# Altium PCB Board.PcbDoc (part 12 of 15) (continued)
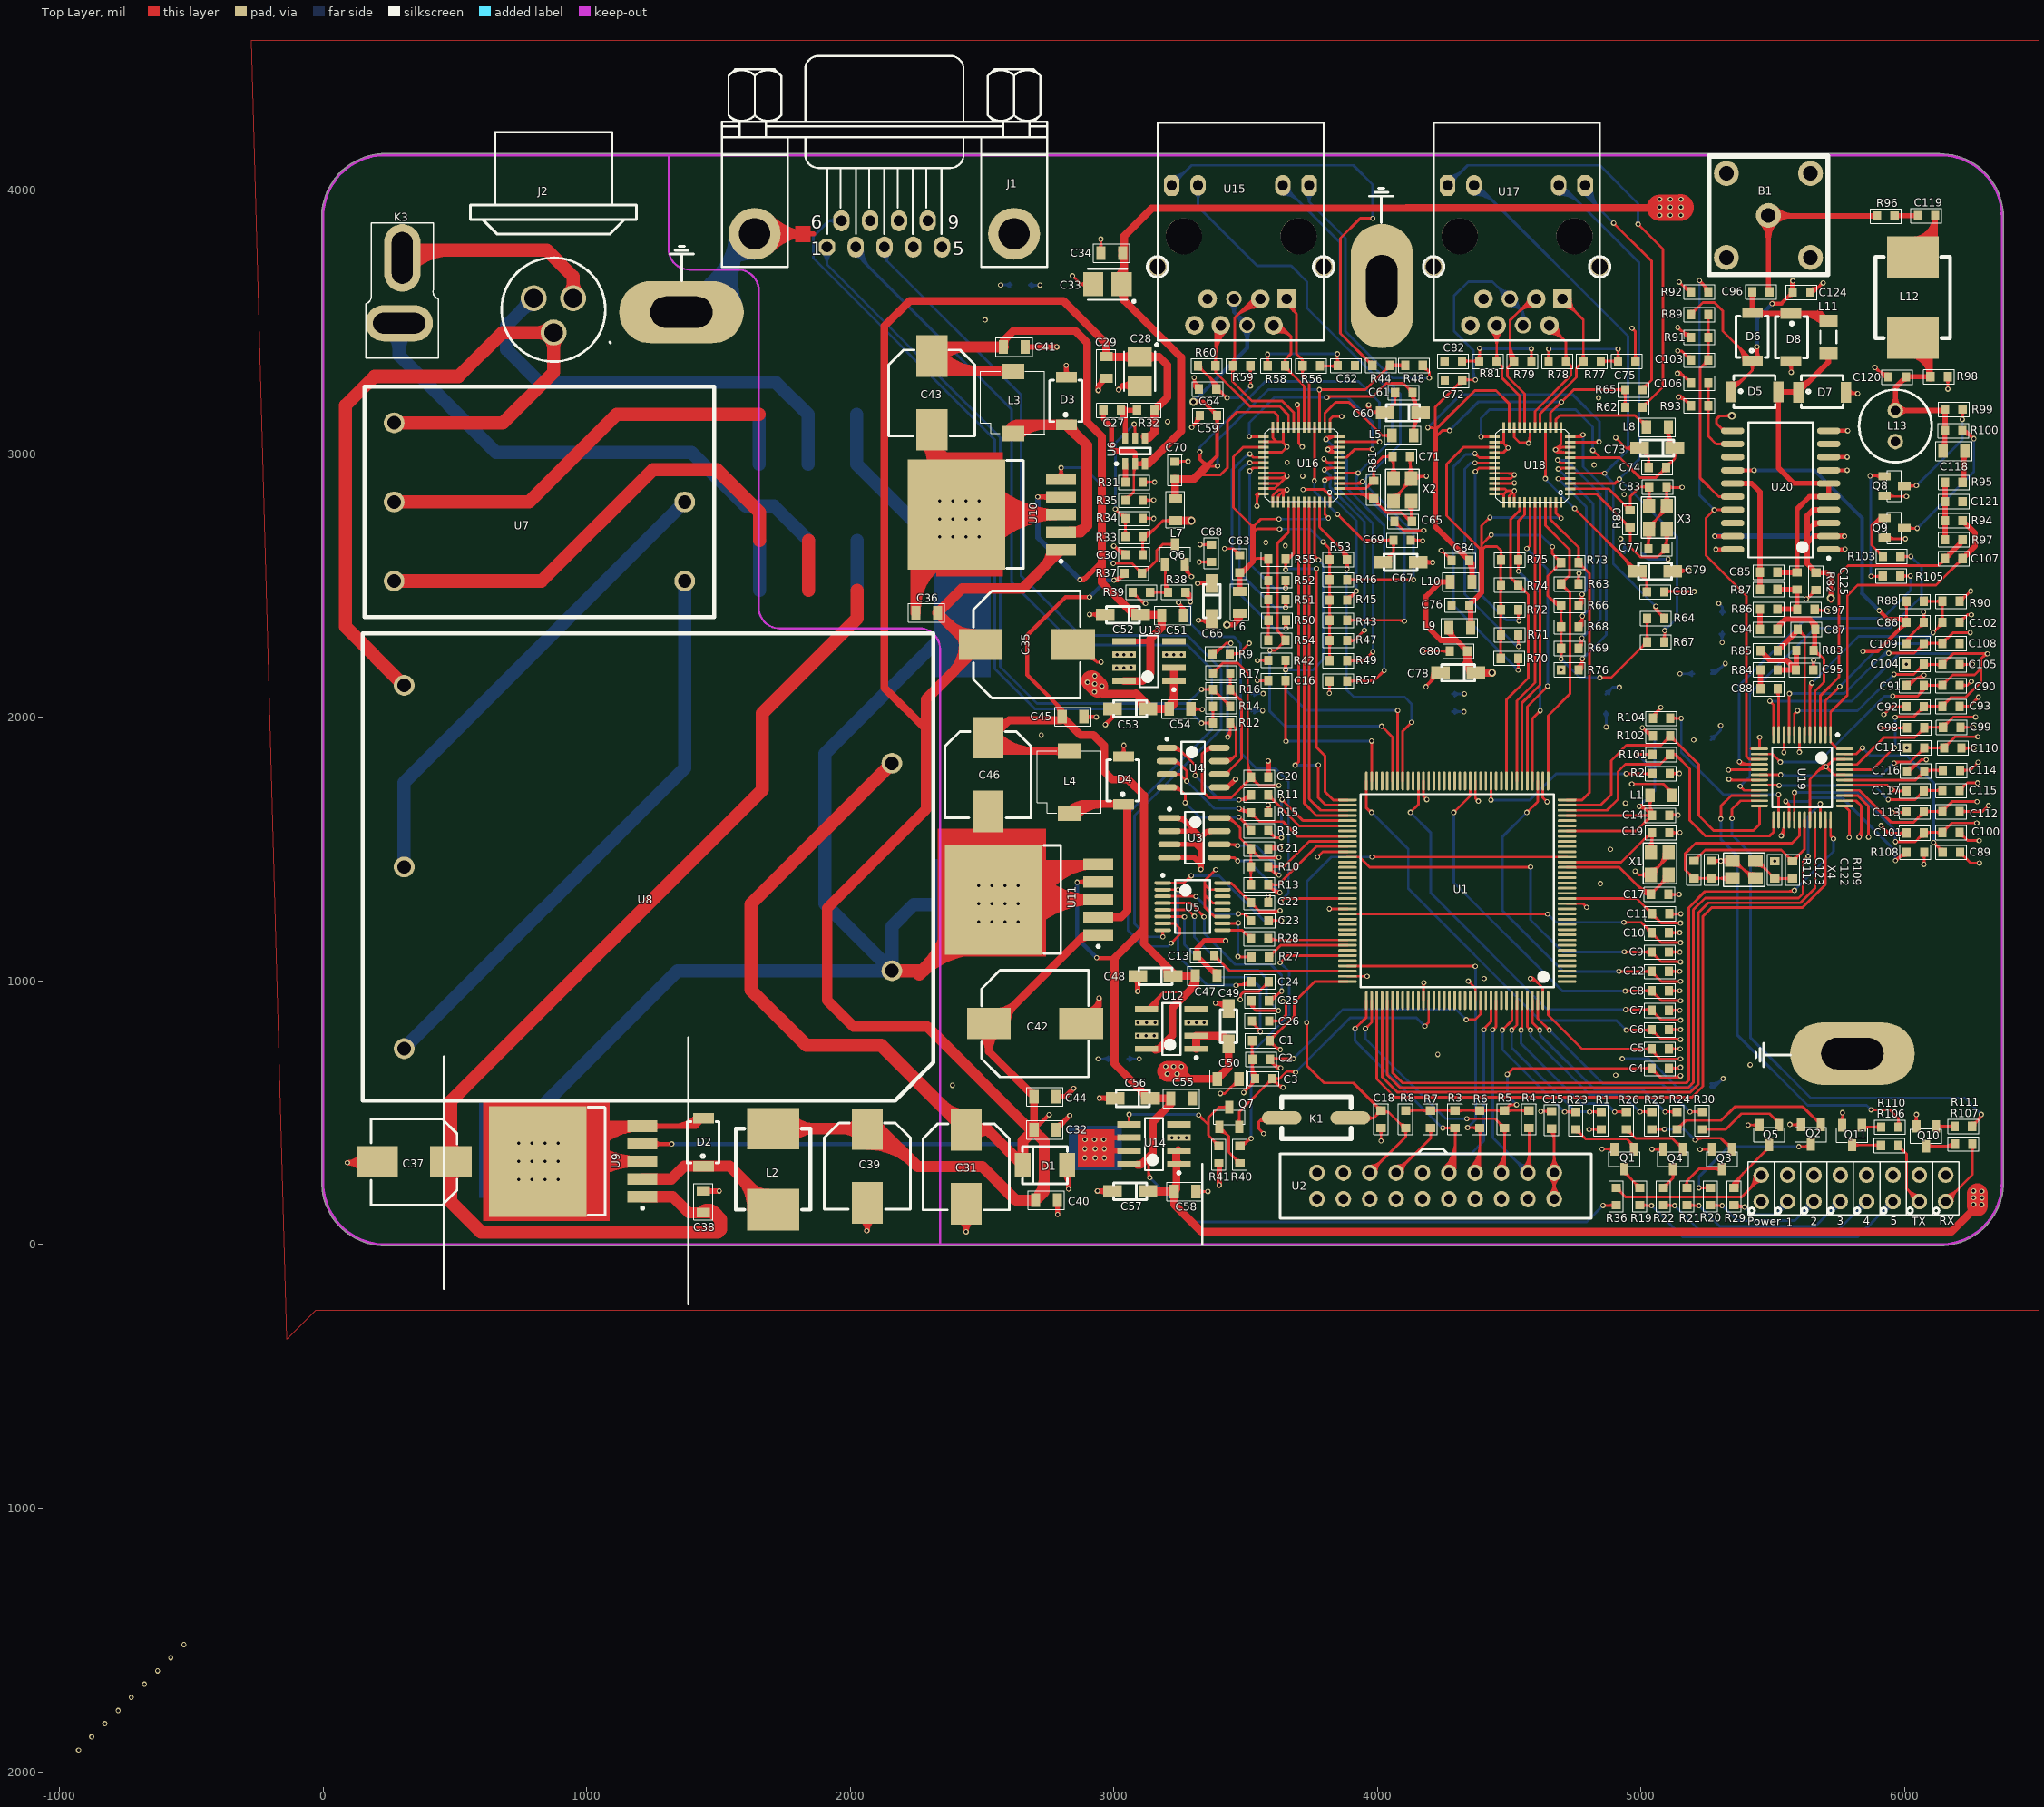
[diagram p0: Top Layer view]
## Nets (pads, with @x,y where several pads share a name; then routed paths per layer and width w, separated by ;. In a path a pad name is that pad's centre, name@x,y a point inside that pad or via, vN(x,y) a via of type N, cw(c..) or ccw(c..) an arc to the next point about the centre after c; other vN are vias at no path point) (continued)
  Bottom Layer w10: v1(2570.6,3640.45) C.2@2612.6,3640.45 ; v1@2574.13,3636.91 cw(c2582.67,3628.38) 2582.67,3640.45 cw(c2582.67,3652.52) v1@2574.13,3643.98 ; C.2@2605,3632.85 ccw(c2586.65,3614.5) 2586.65,3640.45 ccw(c2586.65,3666.4) C.2@2605,3648.05 ; v1(2940.6,704.45) C.2@2985.6,704.45 ; v1@2944.13,700.91 cw(c2952.67,692.38) 2952.67,704.45 cw(c2952.67,716.52) v1@2944.13,707.98 ; C.2@2978,696.85 ccw(c2959.65,678.5) 2959.65,704.45 ccw(c2959.65,730.4) C.2@2978,712.05
  Bottom Layer w15: v1(1322.6,381.45) 2643.6,381.45 v1(2754.6,492.45)
VCC-3.3: C30.2 C53.2 C54.1 C66.2 C68.2 C78.2 C80.2 C.1@2678.6,3640.45 C.1@3522.6,2089.45 C.1@4283.6,2088.45 C.1@4865.6,2087.45 C.2@4937.6,2623.45 C.2@5200.6,2165.45 L6.1 L7.1 L9.1 L10.1 R33.2 U13.1 U13.2 | length 4330.4
  Top Layer w10: C30.2@3109.75,2617.45 R33.2@3109.75,2686.06 ; R33.2@3109.75,2688.78 ccw(c3109.75,2732.66) 3140.78,2701.63 ; R33.2@3109.75,2698.78 ccw(c3109.75,2766.8) 3157.85,2718.7 ; R33.2@3115.17,2676.02 3185.6,2746.45 L7.1@3232.6,2746.45 ; L7.1@3215.73,2737.46 ccw(c3194.02,2715.75) 3194.02,2746.45 ccw(c3194.02,2777.15) L7.1@3215.73,2755.44 ; v1(3317.6,2508.45) 3371.54,2508.45 C66.2@3371.6,2508.39 ; v1@3320.1,2504.12 cw(c3330.06,2486.86) 3335.22,2506.11 ; v1@3320.1,2512.78 ccw(c3330.2,2530.27) 3335.42,2510.76 ; v1(3323.6,2589.45) C68.2@3369.6,2589.45 ; C30.2@3102.15,2627.02 ccw(c3083.8,2645.37) 3109.75,2645.37 ; C30.2@3102.15,2627.02 ccw(c3083.8,2645.37) 3109.75,2645.37 ; C30.2@3102.15,2627.02 ccw(c3083.8,2645.37) 3109.75,2645.37 ; 3109.75,2645.37 ccw(c3135.7,2645.37) C30.2@3117.35,2627.02 ; 3109.75,2645.37 ccw(c3135.7,2645.37) C30.2@3117.35,2627.02 ; 3109.75,2645.37 ccw(c3135.7,2645.37) C30.2@3117.35,2627.02 ; 3109.75,2658.14 cw(c3135.7,2658.14) 3117.35,2676.49 ccw(c3135.7,2658.14) 3109.75,2658.14 ; 3109.75,2658.14 ccw(c3083.8,2658.14) 3102.15,2676.49 cw(c3083.8,2658.14) 3109.75,2658.14 ; v1@3321.13,2504.91 cw(c3329.67,2496.38) 3329.67,2508.45 ; v1@3321.13,2504.91 cw(c3329.67,2496.38) 3329.67,2508.45 ; v1@3321.13,2504.91 cw(c3329.67,2496.38) 3329.67,2508.45 ; v1@3321.13,2511.98 ccw(c3329.67,2520.52) 3329.67,2508.45 ; v1@3321.13,2511.98 ccw(c3329.67,2520.52) 3329.67,2508.45 ; v1@3321.13,2511.98 ccw(c3329.67,2520.52) 3329.67,2508.45 ; v1@3326.49,2508.45 cw(c3326.49,2463.28) C66.2@3358.43,2495.22 ; v1@3326.49,2508.45 cw(c3326.49,2463.28) C66.2@3358.43,2495.22 ; v1@3326.49,2508.45 cw(c3326.49,2463.28) C66.2@3358.43,2495.22 ; v1@3326.79,2508.45 ccw(c3326.79,2553.19) C66.2@3358.43,2521.55 ; v1@3326.79,2508.45 ccw(c3326.79,2553.19) C66.2@3358.43,2521.55 ; v1@3326.79,2508.45 ccw(c3326.79,2553.19) C66.2@3358.43,2521.55 ; v1@3327.13,2585.91 cw(c3335.67,2577.38) 3335.67,2589.45 ; v1@3327.13,2585.91 cw(c3335.67,2577.38) 3335.67,2589.45 ; v1@3327.13,2585.91 cw(c3335.67,2577.38) 3335.67,2589.45 ; v1@3327.13,2592.98 ccw(c3335.67,2601.52) 3335.67,2589.45 ; v1@3327.13,2592.98 ccw(c3335.67,2601.52) 3335.67,2589.45 ; v1@3327.13,2592.98 ccw(c3335.67,2601.52) 3335.67,2589.45 ; 3341.68,2589.45 cw(c3341.68,2563.5) C68.2@3360.03,2581.85 ; 3341.68,2589.45 ccw(c3341.68,2615.4) C68.2@3360.03,2597.05 ; 3341.68,2589.45 cw(c3341.68,2563.5) C68.2@3360.03,2581.85 ; 3341.68,2589.45 ccw(c3341.68,2615.4) C68.2@3360.03,2597.05 ; 3341.68,2589.45 ccw(c3341.68,2615.4) C68.2@3360.03,2597.05 ; 3341.68,2589.45 cw(c3341.68,2563.5) C68.2@3360.03,2581.85
  Top Layer w20: v2(3428.6,2351.45) 3454.6,2351.45 ; L6.1@3462.61,2392.45 cw(c3428.14,2377.91) 3454.6,2351.45 ; 3475.61,2372.47 ccw(c3457.7,2390.38) L6.1@3481.04,2400.22 ; L6.1@3477.6,2395.45 3477.6,2376.45 3478.6,2375.45 3454.6,2351.45 ; L9.1@4270.6,2321.45 4299.6,2292.45 ; L10.1@4275.6,2514.45 4238.6,2514.45 4182.6,2458.45 4182.6,2349.45 4239.6,2292.45 4299.6,2292.45 ; C80.2@4340.6,2251.45 4299.6,2292.45 ; L6.1@3472.14,2389.99 cw(c3458.97,2376.82) 3477.6,2376.82 ; L6.1@3472.14,2389.99 cw(c3458.97,2376.82) 3477.6,2376.82 ; L6.1@3472.14,2389.99 cw(c3458.97,2376.82) 3477.6,2376.82 ; L6.1@3472.14,2389.99 cw(c3458.97,2376.82) 3477.6,2376.82 ; L6.1@3472.14,2389.99 cw(c3458.97,2376.82) 3477.6,2376.82 ; 3477.6,2376.82 cw(c3496.23,2376.82) L6.1@3483.05,2389.99 ; 3477.6,2376.82 cw(c3496.23,2376.82) L6.1@3483.05,2389.99 ; 3477.6,2376.82 cw(c3496.23,2376.82) L6.1@3483.05,2389.99 ; 3477.6,2376.82 cw(c3496.23,2376.82) L6.1@3483.05,2389.99 ; 3477.6,2376.82 cw(c3496.23,2376.82) L6.1@3483.05,2389.99 ; 4256.97,2514.45 cw(c4256.97,2495.82) L10.1@4270.14,2508.99 ; 4256.97,2514.45 ccw(c4256.97,2533.08) L10.1@4270.14,2519.91 ; 4256.97,2514.45 cw(c4256.97,2495.82) L10.1@4270.14,2508.99 ; 4256.97,2514.45 ccw(c4256.97,2533.08) L10.1@4270.14,2519.91 ; 4256.97,2514.45 ccw(c4256.97,2533.08) L10.1@4270.14,2519.91 ; 4256.97,2514.45 cw(c4256.97,2495.82) L10.1@4270.14,2508.99 ; L9.1@4278.31,2332.57 ccw(c4323.8,2332.57) 4291.64,2300.41 ; L9.1@4278.31,2332.57 ccw(c4323.8,2332.57) 4291.64,2300.41 ; L9.1@4278.31,2332.57 ccw(c4323.8,2332.57) 4291.64,2300.41 ; C80.2@4327.43,2264.62 ccw(c4340.6,2277.79) C80.2@4340.6,2259.17 ; C80.2@4327.43,2264.62 ccw(c4340.6,2277.79) C80.2@4340.6,2259.17 ; C80.2@4327.43,2264.62 ccw(c4340.6,2277.79) C80.2@4340.6,2259.17
  Top Layer w30: 2955.6,2089.45 3085.6,2089.45 ; C53.2@3108.11,2032.71 ccw(c3031.18,2035.03) 3085.6,2089.45 ; U13.2@3227.6,2178.45 U13.1@3227.6,2138.45 3227.6,2050.45 ; L7.1@3232.6,2746.45 v2(3294.6,2746.45) ; C80.2@4340.6,2251.45 4340.6,2201.39 ; C78.2@4352.13,2170.13 ccw(c4312.47,2173.25) 4340.6,2201.38 ; v2(4434.6,2169.45) C78.2@4372.54,2169.45 4340.6,2201.39 ; 3085.6,2089.45 3128.54,2046.51 C53.2@3128.54,2032.45 C54.1@3209.6,2032.45 3227.6,2050.45 ; C54.1@3207.68,2042.24 ccw(c3159.58,2090.34) 3227.6,2090.34 ; C54.1@3207.68,2042.24 ccw(c3159.58,2090.34) 3227.6,2090.34 ; C54.1@3207.68,2042.24 ccw(c3159.58,2090.34) 3227.6,2090.34 ; C54.1@3209.61,2043.04 ccw(c3209.71,2068.33) 3227.6,2050.45 ; C54.1@3209.61,2043.04 ccw(c3209.71,2068.33) 3227.6,2050.45 ; C54.1@3209.61,2043.04 ccw(c3209.71,2068.33) 3227.6,2050.45 ; 4340.6,2201.39 ccw(c4364.09,2201.39) C78.2@4361.63,2178.02 ; 4340.6,2201.39 ccw(c4364.09,2201.39) C78.2@4361.63,2178.02 ; 4340.6,2201.39 ccw(c4364.09,2201.39) C78.2@4361.63,2178.02 ; C80.2@4340.6,2238.85 ccw(c4430.13,2238.85) C78.2@4366.82,2175.55 ; C80.2@4340.6,2238.85 ccw(c4430.13,2238.85) C78.2@4366.82,2175.55 ; C80.2@4340.6,2238.85 ccw(c4430.13,2238.85) C78.2@4366.82,2175.55 ; 3083.71,2091.34 cw(c3024.82,2032.45) 3108.1,2032.45 ccw(c3024.82,2032.45) 3083.71,2091.34 ; 4337.65,2204.33 cw(c4302.77,2169.45) 4352.1,2169.45 ccw(c4302.77,2169.45) 4337.65,2204.33
  Top Layer w80: 2915.6,2138.45 v1(2927.1,2126.95) 2938.6,2115.45
  Bottom Layer w10: C.1@2678.6,3640.45 2679.6,3639.45 v1(2719.6,3639.45) ; C.1@2686.2,3630.88 cw(c2706.88,3610.19) 2706.88,3639.45 ; C.1@2686.2,3646.08 ccw(c2702.21,3662.09) 2702.21,3639.45 ; v1@2716.06,3635.91 ccw(c2707.53,3627.38) 2707.53,3639.45 ccw(c2707.53,3651.52) v1@2716.06,3642.98 ; C.1@3522.6,2089.45 3523.6,2090.45 v1(3566.6,2090.45) ; C.1@3532.17,2081.85 cw(c3552.93,2061.09) 3552.93,2090.45 ; C.1@3532.17,2097.05 ccw(c3548.1,2112.98) 3548.1,2090.45 ; v1@3563.06,2086.91 ccw(c3554.53,2078.38) 3554.53,2090.45 ccw(c3554.53,2102.52) v1@3563.06,2093.98 ; C.1@4283.6,2088.45 4328.6,2088.45 v1(4329.6,2089.45) ; C.1@4293.17,2080.85 cw(c4311.51,2062.5) 4311.51,2088.45 cw(c4311.51,2114.4) C.1@4293.17,2096.05 ; 4315.11,2088.45 ccw(c4315.11,2103.93) v1@4326.06,2092.98 ; C.1@4865.6,2087.45 4892.6,2114.45 v1(4917.6,2114.45) ; C.1@4867.57,2098.2 ccw(c4867.57,2119.39) 4882.55,2104.4 ; C.1@4878.31,2087.45 cw(c4909.02,2087.45) 4887.31,2109.16 ; v1@4914.06,2110.91 ccw(c4905.53,2102.38) 4905.53,2114.45 ccw(c4905.53,2126.52) v1@4914.06,2117.98 ; v1@4922.6,2672.45 cw(c4922.6,2660.38) 4931.13,2668.91 cw(c4939.67,2677.45) v1@4927.6,2677.45 ; v1(4922.6,2677.45) 4937.6,2662.45 C.2@4937.6,2623.45 ; C.2@4930,2633.02 ccw(c4911.65,2651.37) 4937.6,2651.37 ccw(c4963.55,2651.37) C.2@4945.2,2633.02 ; v1(5147.6,2165.45) C.2@5200.6,2165.45 ; v1@5151.13,2161.91 cw(c5159.67,2153.38) 5159.67,2165.45 cw(c5159.67,2177.52) v1@5151.13,2168.98 ; C.2@5193,2157.85 ccw(c5174.65,2139.5) 5174.65,2165.45 ccw(c5174.65,2191.4) C.2@5193,2173.05
  other v1: 2926.6,2097.45 2954.6,2118.45 2899.6,2133.45 2927.6,2157.45
VDD: C14.2 L1.2 R101.2 R102.2 U1.30 U1.33 | length 2916.6
  Top Layer w10: U1.30@4718.94,1568.83 4980.98,1568.83 C14.2@5040.6,1628.45 C14.2@5033.92,1635.13 ; U1.33@4718.94,1627.88 5026.68,1627.88 C14.2@5033.92,1635.13 ; v1(4979.6,1858.45) 4980.6,1859.45 R101.2@5043.6,1859.45 ; v1(4992.6,1662.45) 5006.6,1662.45 C14.2@5033.92,1635.13 ; v1(5004.6,1960.45) 5035.6,1929.45 R102.2@5044.6,1929.45 ; v1@5007.53,1957.52 ccw(c5044.6,1994.59) R102.2@5044.6,1942.17 ; v1@5009.43,1961.74 ccw(c5024.62,1965.81) 5016.76,1952.19 ; 5024.6,1940.45 ccw(c5044.6,1960.45) R102.2@5044.6,1932.17 ; L1.2@5033.92,1704.45 C14.2@5033.92,1635.13 ; v1@4983.13,1854.91 cw(c4994.08,1843.96) 4994.08,1859.45 ; v1@4983.13,1854.91 cw(c4994.08,1843.96) 4994.08,1859.45 ; v1@4983.13,1854.91 cw(c4994.08,1843.96) 4994.08,1859.45 ; v1@4992.6,1657.45 cw(c4992.6,1611.58) C14.2@5025.03,1644.01 ; v1@4992.6,1657.45 cw(c4992.6,1611.58) C14.2@5025.03,1644.01 ; v1@4992.6,1657.45 cw(c4992.6,1611.58) C14.2@5025.03,1644.01 ; v1@4992.6,1667.45 cw(c4992.6,1645.72) 5007.96,1661.08 ; v1@4992.6,1667.45 cw(c4992.6,1645.72) 5007.96,1661.08 ; v1@4992.6,1667.45 cw(c4992.6,1645.72) 5007.96,1661.08 ; v1@4996.13,1658.91 cw(c5004.67,1650.38) 5004.67,1662.45 ; v1@4996.13,1658.91 cw(c5004.67,1650.38) 5004.67,1662.45 ; v1@4996.13,1658.91 cw(c5004.67,1650.38) 5004.67,1662.45 ; v1@4996.13,1665.98 ccw(c5004.67,1674.52) 5004.67,1662.45 ; v1@4996.13,1665.98 ccw(c5004.67,1674.52) 5004.67,1662.45 ; v1@4996.13,1665.98 ccw(c5004.67,1674.52) 5004.67,1662.45 ; v1@5004.6,1955.45 cw(c5004.6,1943.38) 5013.13,1951.91 ; v1@5004.6,1955.45 cw(c5004.6,1943.38) 5013.13,1951.91 ; v1@5004.6,1955.45 cw(c5004.6,1943.38) 5013.13,1951.91 ; v1@5009.6,1960.45 ccw(c5021.67,1960.45) 5013.13,1951.91 ; v1@5009.6,1960.45 ccw(c5021.67,1960.45) 5013.13,1951.91 ; v1@5009.6,1960.45 ccw(c5021.67,1960.45) 5013.13,1951.91 ; 5013.28,1627.88 ccw(c5013.28,1655.77) C14.2@5033,1636.05 ; 5013.28,1627.88 ccw(c5013.28,1655.77) C14.2@5033,1636.05 ; 5013.28,1627.88 ccw(c5013.28,1655.77) C14.2@5033,1636.05 ; 5016.02,1627.88 cw(c5016.02,1603.87) C14.2@5033,1620.85 ; 5016.02,1627.88 cw(c5016.02,1603.87) C14.2@5033,1620.85 ; 5016.02,1627.88 cw(c5016.02,1603.87) C14.2@5033,1620.85 ; 5017.65,1859.45 cw(c5017.65,1833.5) R101.2@5036,1851.85 ; 5017.65,1859.45 ccw(c5017.65,1885.4) R101.2@5036,1867.05 ; 5017.65,1859.45 cw(c5017.65,1833.5) R101.2@5036,1851.85 ; 5017.65,1859.45 ccw(c5017.65,1885.4) R101.2@5036,1867.05 ; 5017.65,1859.45 ccw(c5017.65,1885.4) R101.2@5036,1867.05 ; 5017.65,1859.45 cw(c5017.65,1833.5) R101.2@5036,1851.85 ; 5018.89,1606.74 cw(c5040.6,1585.03) C14.2@5040.6,1615.73 ; 5018.89,1606.74 cw(c5040.6,1585.03) C14.2@5040.6,1615.73 ; 5018.89,1606.74 cw(c5040.6,1585.03) C14.2@5040.6,1615.73 ; 5018.89,1650.16 ccw(c5040.6,1671.87) C14.2@5040.6,1641.17 ; 5018.89,1650.16 ccw(c5040.6,1671.87) C14.2@5040.6,1641.17 ; 5018.89,1650.16 ccw(c5040.6,1671.87) C14.2@5040.6,1641.17 ; 5023.64,1611.49 ccw(c5008.65,1626.48) C14.2@5029.85,1626.48 ; 5023.64,1611.49 ccw(c5008.65,1626.48) C14.2@5029.85,1626.48 ; 5023.64,1611.49 ccw(c5008.65,1626.48) C14.2@5029.85,1626.48 ; 5023.64,1645.4 cw(c5008.65,1630.42) C14.2@5029.85,1630.42 ; 5023.64,1645.4 cw(c5008.65,1630.42) C14.2@5029.85,1630.42 ; 5023.64,1645.4 cw(c5008.65,1630.42) C14.2@5029.85,1630.42 ; L1.2@5024.93,1687.58 cw(c5003.22,1665.87) 5033.92,1665.87 ; L1.2@5024.93,1687.58 cw(c5003.22,1665.87) 5033.92,1665.87 ; L1.2@5024.93,1687.58 cw(c5003.22,1665.87) 5033.92,1665.87 ; 5033.92,1648.34 ccw(c5058.52,1648.34) C14.2@5041.13,1630.95 ; 5033.92,1648.34 ccw(c5058.52,1648.34) C14.2@5041.13,1630.95 ; 5033.92,1648.34 ccw(c5058.52,1648.34) C14.2@5041.13,1630.95 ; 5033.92,1665.87 cw(c5064.62,1665.87) L1.2@5042.91,1687.58 ; 5033.92,1665.87 cw(c5064.62,1665.87) L1.2@5042.91,1687.58 ; 5033.92,1665.87 cw(c5064.62,1665.87) L1.2@5042.91,1687.58 ; 5033.92,1672.49 ccw(c5082.67,1672.49) C14.2@5048.2,1638.02 ; 5033.92,1672.49 ccw(c5082.67,1672.49) C14.2@5048.2,1638.02 ; 5033.92,1672.49 ccw(c5082.67,1672.49) C14.2@5048.2,1638.02 ; v1@4990.18,1666.82 cw(c4995.88,1656.52) 5004.2,1664.85 ccw(c4995.88,1656.52) v1@4990.18,1666.82 ; v1@4995.02,1658.07 cw(c5002.56,1644.42) 5013.6,1655.45 ccw(c5002.56,1644.42) v1@4995.02,1658.07 ; v1@5010.08,1954.96 ccw(c5041.23,1986.11) 5043.94,1942.14 cw(c5041.23,1986.11) v1@5010.08,1954.96 ; 5025.77,1939.27 ccw(c5043.05,1956.55) 5044.55,1932.16 cw(c5043.05,1956.55) 5025.77,1939.27
  Bottom Layer w10: v1(4979.6,1858.45) 4986.6,1858.45 5052.6,1792.45 ; v1(4992.6,1662.45) 5052.6,1722.45 5052.6,1792.45 ; v1(5004.6,1960.45) 5052.6,1912.45 5052.6,1792.45 ; v1@4979.6,1853.45 cw(c4979.6,1824.48) 5000.08,1844.96 ; v1@4979.6,1853.45 cw(c4979.6,1824.48) 5000.08,1844.96 ; v1@4979.6,1853.45 cw(c4979.6,1824.48) 5000.08,1844.96 ; v1@4992.6,1667.45 ccw(c4992.6,1679.52) 5001.13,1670.98 ; v1@4992.6,1667.45 ccw(c4992.6,1679.52) 5001.13,1670.98 ; v1@4992.6,1667.45 ccw(c4992.6,1679.52) 5001.13,1670.98 ; v1@4997.6,1662.45 cw(c5009.67,1662.45) 5001.13,1670.98 ; v1@4997.6,1662.45 cw(c5009.67,1662.45) 5001.13,1670.98 ; v1@4997.6,1662.45 cw(c5009.67,1662.45) 5001.13,1670.98 ; v1@5004.6,1955.45 cw(c5004.6,1943.38) 5013.13,1951.91 ; v1@5004.6,1955.45 cw(c5004.6,1943.38) 5013.13,1951.91 ; v1@5004.6,1955.45 cw(c5004.6,1943.38) 5013.13,1951.91 ; v1@5009.6,1960.45 ccw(c5021.67,1960.45) 5013.13,1951.91 ; v1@5009.6,1960.45 ccw(c5021.67,1960.45) 5013.13,1951.91 ; v1@5009.6,1960.45 ccw(c5021.67,1960.45) 5013.13,1951.91
VDD2.5: C90.2 C91.2 C92.2 C93.2 C104.2 C105.2 U19.8 U19.12 U19.14 U19.44 | length 6249.7
  Top Layer w10: U19.14@5449.18,1861.03 5498.02,1861.03 v1(5528.6,1830.45) ; v1(5488.6,2061.45) 5502.33,2047.72 U19.12@5502.33,1933.87 ; U19.8@5581.07,1933.87 5581.07,2012.92 v1(5593.6,2025.45) ; U19.44@5772.02,1801.98 5877.13,1801.98 v1(5960.6,1885.45) ; v1(5954.6,2080.45) 6049.6,2080.45 ; v1@5958.6,2000.45 v1(5963.6,2000.45) 5966.6,2003.45 6035.45,2003.45 C92.2@6072.6,2040.6 6073.81,2041.81 C93.2@6142.6,2041.81 6176.6,2075.81 6230.96,2075.81 6289.6,2134.45 6289.6,2222.45 6308.6,2241.45 6183.6,2241.45 C105.2@6142.6,2200.45 6073.6,2200.45 C104.2@6072.6,2201.45 6034.6,2163.45 v1(5959.6,2163.45) ; C91.2@6061.95,2117.05 cw(c6018.84,2111.21) 6049.6,2080.45 ; 6063.87,2094.72 ccw(c6043.98,2114.61) C91.2@6071.86,2118.39 ; 6286.1,2181.95 6265.6,2161.45 6182.51,2161.45 C90.2@6142.6,2121.54 6073.68,2121.54 C91.2@6072.6,2120.46 6072.6,2103.45 6049.6,2080.45 ; v1@5488.6,2056.45 cw(c5488.6,2044.38) 5497.13,2052.91 ; v1@5488.6,2056.45 cw(c5488.6,2044.38) 5497.13,2052.91 ; v1@5488.6,2056.45 cw(c5488.6,2044.38) 5497.13,2052.91 ; v1@5493.6,2061.45 ccw(c5505.67,2061.45) 5497.13,2052.91 ; v1@5493.6,2061.45 ccw(c5505.67,2061.45) 5497.13,2052.91 ; v1@5493.6,2061.45 ccw(c5505.67,2061.45) 5497.13,2052.91 ; 5520.06,1838.98 cw(c5511.53,1830.45) v1@5523.6,1830.45 ; 5520.06,1838.98 ccw(c5528.6,1847.52) v1@5528.6,1835.45 ; 5520.06,1838.98 cw(c5511.53,1830.45) v1@5523.6,1830.45 ; 5520.06,1838.98 ccw(c5528.6,1847.52) v1@5528.6,1835.45 ; 5520.06,1838.98 ccw(c5528.6,1847.52) v1@5528.6,1835.45 ; 5520.06,1838.98 cw(c5511.53,1830.45) v1@5523.6,1830.45 ; 5585.06,2016.91 cw(c5593.6,2008.38) v1@5593.6,2020.45 ; 5585.06,2016.91 ccw(c5576.53,2025.45) v1@5588.6,2025.45 ; 5585.06,2016.91 cw(c5593.6,2008.38) v1@5593.6,2020.45 ; 5585.06,2016.91 ccw(c5576.53,2025.45) v1@5588.6,2025.45 ; 5585.06,2016.91 ccw(c5576.53,2025.45) v1@5588.6,2025.45 ; 5585.06,2016.91 cw(c5593.6,2008.38) v1@5593.6,2020.45 ; 5952.06,1876.91 cw(c5960.6,1868.38) v1@5960.6,1880.45 ; 5952.06,1876.91 ccw(c5943.53,1885.45) v1@5955.6,1885.45 ; 5952.06,1876.91 cw(c5960.6,1868.38) v1@5960.6,1880.45 ; 5952.06,1876.91 ccw(c5943.53,1885.45) v1@5955.6,1885.45 ; 5952.06,1876.91 ccw(c5943.53,1885.45) v1@5955.6,1885.45 ; 5952.06,1876.91 cw(c5960.6,1868.38) v1@5960.6,1880.45 ; v1@5958.13,2076.91 cw(c5966.67,2068.38) 5966.67,2080.45 ; v1@5958.13,2076.91 cw(c5966.67,2068.38) 5966.67,2080.45 ; v1@5958.13,2076.91 cw(c5966.67,2068.38) 5966.67,2080.45 ; v1@5958.13,2083.98 ccw(c5966.67,2092.52) 5966.67,2080.45 ; v1@5958.13,2083.98 ccw(c5966.67,2092.52) 5966.67,2080.45 ; v1@5958.13,2083.98 ccw(c5966.67,2092.52) 5966.67,2080.45 ; v1@5963.13,2159.91 cw(c5971.67,2151.38) 5971.67,2163.45 ; v1@5963.13,2159.91 cw(c5971.67,2151.38) 5971.67,2163.45 ; v1@5963.13,2159.91 cw(c5971.67,2151.38) 5971.67,2163.45 ; v1@5963.13,2166.98 ccw(c5971.67,2175.52) 5971.67,2163.45 ; v1@5963.13,2166.98 ccw(c5971.67,2175.52) 5971.67,2163.45 ; v1@5963.13,2166.98 ccw(c5971.67,2175.52) 5971.67,2163.45 ; v1@5967.13,1996.91 cw(c5982.91,1981.14) 5982.91,2003.45 ; v1@5967.13,1996.91 cw(c5982.91,1981.14) 5982.91,2003.45 ; v1@5967.13,1996.91 cw(c5982.91,1981.14) 5982.91,2003.45 ; 6050.89,2018.89 cw(c6072.6,1997.18) C92.2@6072.6,2027.88 ; 6050.89,2018.89 cw(c6072.6,1997.18) C92.2@6072.6,2027.88 ; 6050.89,2018.89 cw(c6072.6,1997.18) C92.2@6072.6,2027.88 ; 6050.89,2179.74 cw(c6072.6,2158.03) C104.2@6072.6,2188.73 ; 6050.89,2179.74 cw(c6072.6,2158.03) C104.2@6072.6,2188.73 ; 6050.89,2179.74 cw(c6072.6,2158.03) C104.2@6072.6,2188.73 ; 6055.64,2023.64 ccw(c6040.65,2038.63) C92.2@6061.85,2038.63 ; 6055.64,2023.64 ccw(c6040.65,2038.63) C92.2@6061.85,2038.63 ; 6055.64,2023.64 ccw(c6040.65,2038.63) C92.2@6061.85,2038.63 ; 6055.64,2184.49 ccw(c6040.65,2199.48) C104.2@6061.85,2199.48 ; 6055.64,2184.49 ccw(c6040.65,2199.48) C104.2@6061.85,2199.48 ; 6055.64,2184.49 ccw(c6040.65,2199.48) C104.2@6061.85,2199.48 ; C92.2@6080.2,2034.97 cw(c6096.72,2018.44) 6096.72,2041.81 ; C92.2@6080.2,2034.97 cw(c6096.72,2018.44) 6096.72,2041.81 ; C92.2@6080.2,2034.97 cw(c6096.72,2018.44) 6096.72,2041.81 ; C92.2@6080.2,2050.17 ccw(c6100.37,2070.34) 6100.37,2041.81 ; C92.2@6080.2,2050.17 ccw(c6100.37,2070.34) 6100.37,2041.81 ; C92.2@6080.2,2050.17 ccw(c6100.37,2070.34) 6100.37,2041.81 ; C91.2@6080.2,2114.82 cw(c6096.41,2098.62) 6096.41,2121.54 ; C91.2@6080.2,2114.82 cw(c6096.41,2098.62) 6096.41,2121.54 ; C91.2@6080.2,2114.82 cw(c6096.41,2098.62) 6096.41,2121.54 ; C91.2@6080.2,2130.02 ccw(c6100.69,2150.51) 6100.69,2121.54 ; C91.2@6080.2,2130.02 ccw(c6100.69,2150.51) 6100.69,2121.54 ; C91.2@6080.2,2130.02 ccw(c6100.69,2150.51) 6100.69,2121.54 ; C104.2@6080.2,2191.88 cw(c6100.88,2171.19) 6100.88,2200.45 ; C104.2@6080.2,2191.88 cw(c6100.88,2171.19) 6100.88,2200.45 ; C104.2@6080.2,2191.88 cw(c6100.88,2171.19) 6100.88,2200.45 ; C104.2@6080.2,2207.08 ccw(c6096.21,2223.09) 6096.21,2200.45 ; C104.2@6080.2,2207.08 ccw(c6096.21,2223.09) 6096.21,2200.45 ; C104.2@6080.2,2207.08 ccw(c6096.21,2223.09) 6096.21,2200.45 ; 6116.65,2041.81 cw(c6116.65,2015.86) C93.2@6135,2034.21 ; 6116.65,2041.81 ccw(c6116.65,2067.76) C93.2@6135,2049.41 ; 6116.65,2041.81 cw(c6116.65,2015.86) C93.2@6135,2034.21 ; 6116.65,2041.81 ccw(c6116.65,2067.76) C93.2@6135,2049.41 ; 6116.65,2041.81 ccw(c6116.65,2067.76) C93.2@6135,2049.41 ; 6116.65,2041.81 cw(c6116.65,2015.86) C93.2@6135,2034.21 ; 6116.65,2121.54 cw(c6116.65,2095.59) C90.2@6135,2113.94 ; 6116.65,2121.54 ccw(c6116.65,2147.49) C90.2@6135,2129.14 ; 6116.65,2121.54 cw(c6116.65,2095.59) C90.2@6135,2113.94 ; 6116.65,2121.54 ccw(c6116.65,2147.49) C90.2@6135,2129.14 ; 6116.65,2121.54 ccw(c6116.65,2147.49) C90.2@6135,2129.14 ; 6116.65,2121.54 cw(c6116.65,2095.59) C90.2@6135,2113.94 ; 6116.65,2200.45 cw(c6116.65,2174.5) C105.2@6135,2192.85 ; 6116.65,2200.45 ccw(c6116.65,2226.4) C105.2@6135,2208.05 ; 6116.65,2200.45 cw(c6116.65,2174.5) C105.2@6135,2192.85 ; 6116.65,2200.45 ccw(c6116.65,2226.4) C105.2@6135,2208.05 ; 6116.65,2200.45 ccw(c6116.65,2226.4) C105.2@6135,2208.05 ; 6116.65,2200.45 cw(c6116.65,2174.5) C105.2@6135,2192.85 ; C93.2@6142.6,2054.53 ccw(c6142.6,2085.23) 6164.31,2063.52 ; C93.2@6142.6,2054.53 ccw(c6142.6,2085.23) 6164.31,2063.52 ; C93.2@6142.6,2054.53 ccw(c6142.6,2085.23) 6164.31,2063.52 ; C90.2@6142.6,2134.26 ccw(c6142.6,2164.96) 6164.31,2143.25 ; C90.2@6142.6,2134.26 ccw(c6142.6,2164.96) 6164.31,2143.25 ; C90.2@6142.6,2134.26 ccw(c6142.6,2164.96) 6164.31,2143.25 ; C105.2@6142.6,2213.17 ccw(c6142.6,2243.87) 6164.31,2222.16 ; C105.2@6142.6,2213.17 ccw(c6142.6,2243.87) 6164.31,2222.16 ; C105.2@6142.6,2213.17 ccw(c6142.6,2243.87) 6164.31,2222.16 ; C93.2@6153.35,2043.78 cw(c6174.54,2043.78) 6159.55,2058.77 ; C93.2@6153.35,2043.78 cw(c6174.54,2043.78) 6159.55,2058.77 ; C93.2@6153.35,2043.78 cw(c6174.54,2043.78) 6159.55,2058.77 ; C90.2@6153.35,2123.51 cw(c6174.54,2123.51) 6159.55,2138.49 ; C90.2@6153.35,2123.51 cw(c6174.54,2123.51) 6159.55,2138.49 ; C90.2@6153.35,2123.51 cw(c6174.54,2123.51) 6159.55,2138.49 ; C105.2@6153.35,2202.42 cw(c6174.54,2202.42) 6159.55,2217.4 ; C105.2@6153.35,2202.42 cw(c6174.54,2202.42) 6159.55,2217.4 ; C105.2@6153.35,2202.42 cw(c6174.54,2202.42) 6159.55,2217.4 ; 6296.53,2229.38 cw(c6313.6,2212.31) v1@6313.6,2236.45 ; 6296.53,2229.38 cw(c6313.6,2212.31) v1@6313.6,2236.45 ; 6296.53,2229.38 cw(c6313.6,2212.31) v1@6313.6,2236.45 ; 6301.53,2241.45 cw(c6301.53,2229.38) v1@6310.06,2237.91 ; 6301.53,2241.45 ccw(c6301.53,2253.52) v1@6310.06,2244.98 ; 6301.53,2241.45 cw(c6301.53,2229.38) v1@6310.06,2237.91 ; 6301.53,2241.45 ccw(c6301.53,2253.52) v1@6310.06,2244.98 ; 6301.53,2241.45 ccw(c6301.53,2253.52) v1@6310.06,2244.98 ; 6301.53,2241.45 cw(c6301.53,2229.38) v1@6310.06,2237.91 ; 6057.12,2087.97 ccw(c6039.67,2105.42) 6062.61,2114.52 cw(c6039.67,2105.42) 6057.12,2087.97 ; 6067.87,2098.73 ccw(c6055.07,2111.53) 6071.9,2118.21 cw(c6055.07,2111.53) 6067.87,2098.73
  Bottom Layer w10: v1(5488.6,2061.45) 5798.6,2061.45 5978.6,2241.45 v1(6313.6,2241.45) ; v1(5528.6,1830.45) 5673.6,1830.45 5923.6,2080.45 v1(5954.6,2080.45) ; v1(5593.6,2025.45) 5821.6,2025.45 v1(5959.6,2163.45) ; v1(5960.6,1885.45) 5963.6,1888.45 v1(5963.6,2000.45) ; v1@5492.13,2057.91 cw(c5500.67,2049.38) 5500.67,2061.45 ; v1@5492.13,2057.91 cw(c5500.67,2049.38) 5500.67,2061.45 ; v1@5492.13,2057.91 cw(c5500.67,2049.38) 5500.67,2061.45 ; v1@5492.13,2064.98 ccw(c5500.67,2073.52) 5500.67,2061.45 ; v1@5492.13,2064.98 ccw(c5500.67,2073.52) 5500.67,2061.45 ; v1@5492.13,2064.98 ccw(c5500.67,2073.52) 5500.67,2061.45 ; v1@5532.13,1826.91 cw(c5540.67,1818.38) 5540.67,1830.45 ; v1@5532.13,1826.91 cw(c5540.67,1818.38) 5540.67,1830.45 ; v1@5532.13,1826.91 cw(c5540.67,1818.38) 5540.67,1830.45 ; v1@5532.13,1833.98 ccw(c5540.67,1842.52) 5540.67,1830.45 ; v1@5532.13,1833.98 ccw(c5540.67,1842.52) 5540.67,1830.45 ; v1@5532.13,1833.98 ccw(c5540.67,1842.52) 5540.67,1830.45 ; v1@5597.13,2021.91 cw(c5605.67,2013.38) 5605.67,2025.45 ; v1@5597.13,2021.91 cw(c5605.67,2013.38) 5605.67,2025.45 ; v1@5597.13,2021.91 cw(c5605.67,2013.38) 5605.67,2025.45 ; v1@5597.13,2028.98 ccw(c5605.67,2037.52) 5605.67,2025.45 ; v1@5597.13,2028.98 ccw(c5605.67,2037.52) 5605.67,2025.45 ; v1@5597.13,2028.98 ccw(c5605.67,2037.52) 5605.67,2025.45 ; 5942.53,2080.45 cw(c5942.53,2068.38) v1@5951.06,2076.91 ; 5942.53,2080.45 ccw(c5942.53,2092.52) v1@5951.06,2083.98 ; 5942.53,2080.45 cw(c5942.53,2068.38) v1@5951.06,2076.91 ; 5942.53,2080.45 ccw(c5942.53,2092.52) v1@5951.06,2083.98 ; 5942.53,2080.45 ccw(c5942.53,2092.52) v1@5951.06,2083.98 ; 5942.53,2080.45 cw(c5942.53,2068.38) v1@5951.06,2076.91 ; 5951.06,2154.91 cw(c5959.6,2146.38) v1@5959.6,2158.45 ; 5951.06,2154.91 ccw(c5942.53,2163.45) v1@5954.6,2163.45 ; 5951.06,2154.91 cw(c5959.6,2146.38) v1@5959.6,2158.45 ; 5951.06,2154.91 ccw(c5942.53,2163.45) v1@5954.6,2163.45 ; 5951.06,2154.91 ccw(c5942.53,2163.45) v1@5954.6,2163.45 ; 5951.06,2154.91 cw(c5959.6,2146.38) v1@5959.6,2158.45 ; v1@5957.06,1888.98 ccw(c5941.28,1904.76) 5963.6,1904.76 ; v1@5957.06,1888.98 ccw(c5941.28,1904.76) 5963.6,1904.76 ; v1@5957.06,1888.98 ccw(c5941.28,1904.76) 5963.6,1904.76 ; v1@5960.06,1996.91 cw(c5951.53,1988.38) 5963.6,1988.38 ; v1@5960.06,1996.91 cw(c5951.53,1988.38) 5963.6,1988.38 ; v1@5960.06,1996.91 cw(c5951.53,1988.38) 5963.6,1988.38 ; 5963.6,1988.38 cw(c5975.67,1988.38) v1@5967.13,1996.91 ; 5963.6,1988.38 cw(c5975.67,1988.38) v1@5967.13,1996.91 ; 5963.6,1988.38 cw(c5975.67,1988.38) v1@5967.13,1996.91 ; 6301.53,2241.45 cw(c6301.53,2229.38) v1@6310.06,2237.91 ; 6301.53,2241.45 ccw(c6301.53,2253.52) v1@6310.06,2244.98 ; 6301.53,2241.45 cw(c6301.53,2229.38) v1@6310.06,2237.91 ; 6301.53,2241.45 ccw(c6301.53,2253.52) v1@6310.06,2244.98 ; 6301.53,2241.45 ccw(c6301.53,2253.52) v1@6310.06,2244.98 ; 6301.53,2241.45 cw(c6301.53,2229.38) v1@6310.06,2237.91